# KiCad board s100_ColorMagic-1.1-004.kicad_pcb (continued)
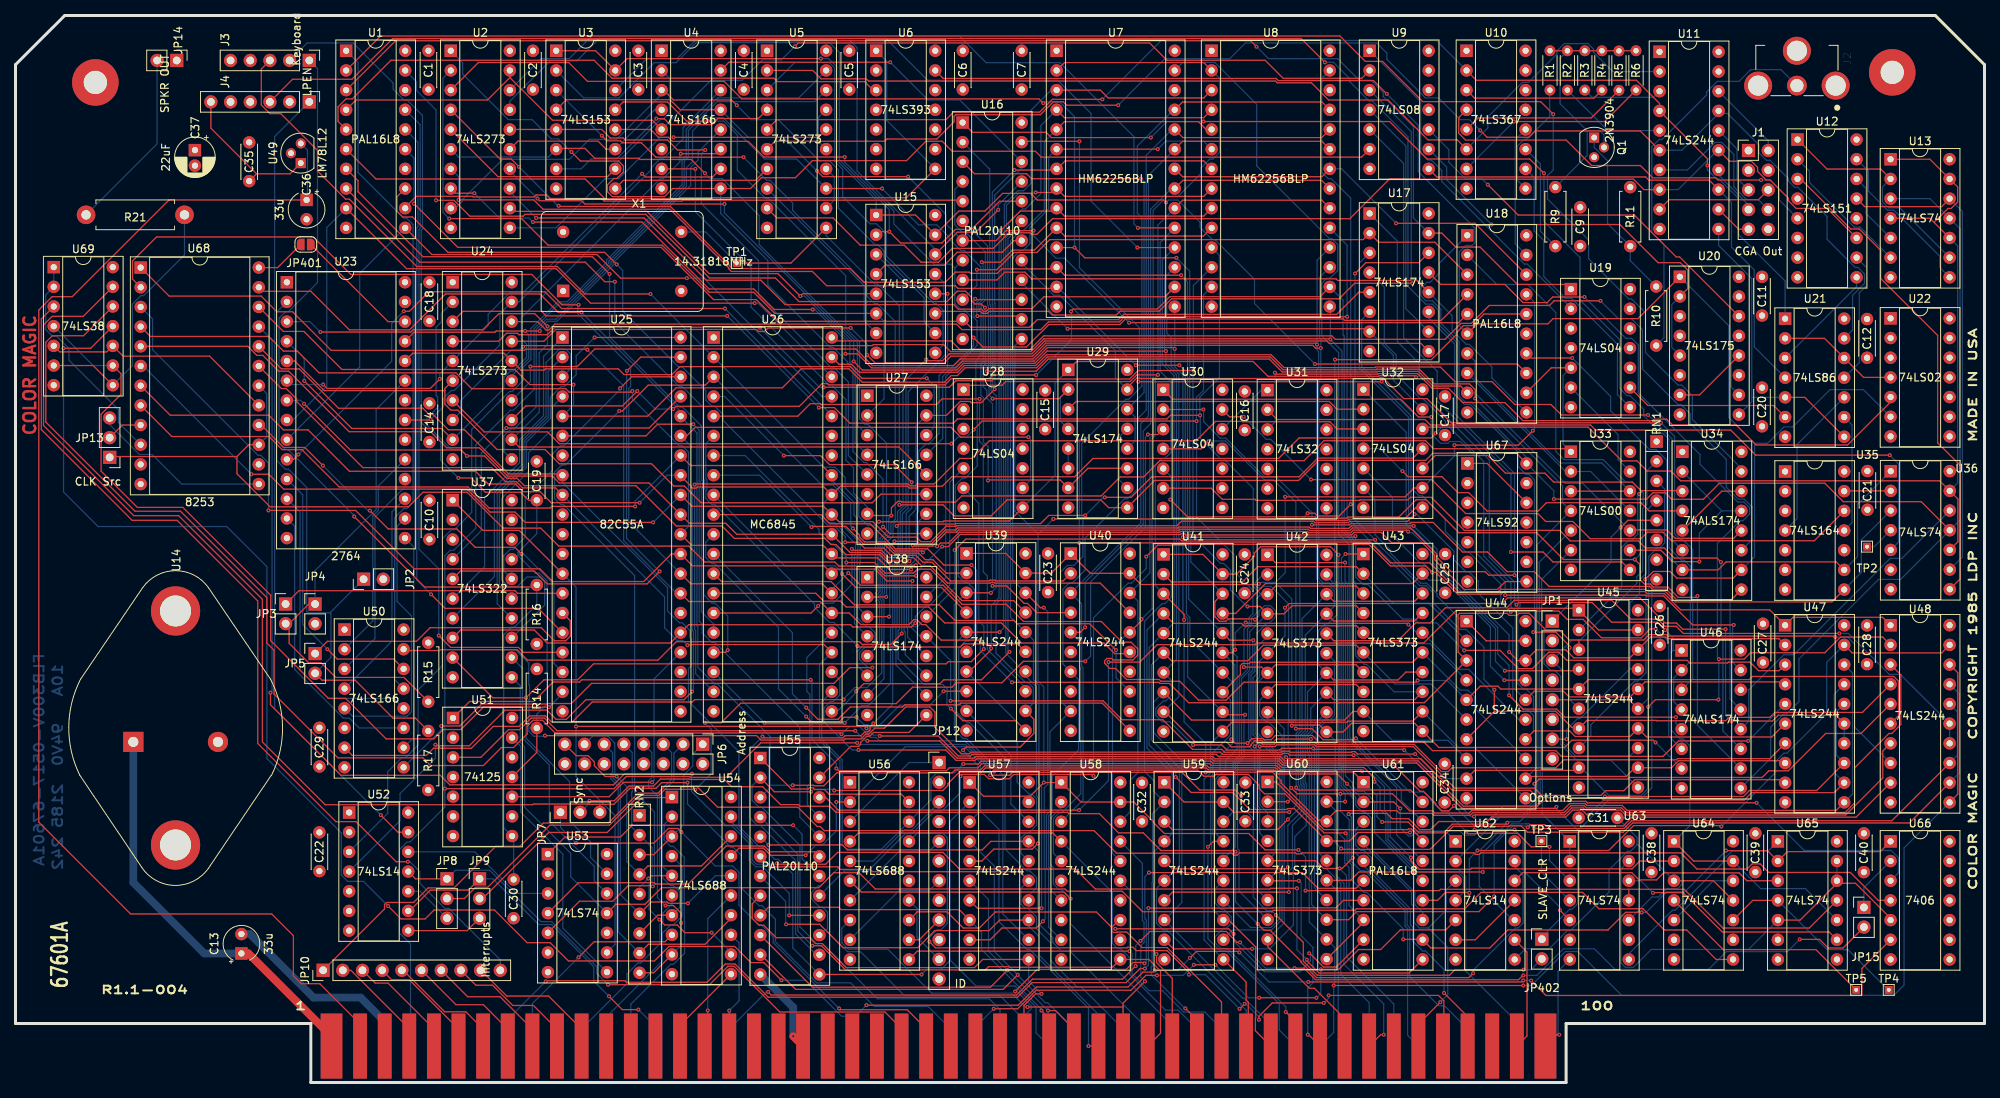
[diagram p0: board, top side]
## Routing (per net, layer and track width the routed paths; a pad name or vN(x,y) marks a point on that pad's centre or on a via; arc(x,y) is an arc through that point) (continued)
MD4: length 239.9
  Component w0.152: v1(80.21,89.24) 78.3,87.32 65.84,87.32 U24.13 ; v1(84.83,86.91) 85.18,87.27 101.12,87.27 104.04,90.19 104.76,90.19 104.92,90.04 119.9,90.04 120.72,90.85 125.62,90.85 126.08,91.31 v1(131.66,91.31) ; U42.13 170.03,49.42 180.49,49.42 U43.13 ; v1(159.52,17.25) 149.38,17.25 U59.9 ; U8.16 168.29,101.42 148.91,101.42 147.31,99.83 136.47,99.83 v1(136.15,99.52)
  Copper w0.152: v1(84.83,86.91) 82.53,86.91 v1(80.21,89.24) ; U42.13 167.09,48.29 167.09,45.35 166.36,44.63 166.36,38.73 166.51,38.58 166.51,33.21 165.02,31.72 165.02,27.63 164.85,27.46 164.85,20.33 161.77,17.25 v1(159.52,17.25) ; v1(136.15,99.52) 136.22,99.45 136.22,95.87 v1(131.66,91.31) ; U43.13 177.84,50.43 174.3,53.97 173.99,53.97 172.87,55.09 172.87,64.49 172.59,64.76 172.59,70.1 171.4,71.3 171.4,96.36 171.26,96.5 171.26,100.96 U8.16
MD5: length 226.6
  Component w0.152: v1(164.26,24.57) 149.26,24.57 U59.7 ; U42.14 170.04,51.95 178.34,51.95 179.36,52.97 U43.14 ; v1(66.42,92.4) 72.47,92.4 74.73,94.66 108.4,94.66 110.54,92.53 121,92.53 121.86,93.38 131.25,93.38 133.01,95.13 167.35,95.13 167.71,94.78 v1(168.39,94.78)
  Copper w0.152: U24.14 66.42,90.45 v1(66.42,92.4) ; v1(164.26,24.57) 164.26,27.27 164.73,27.73 164.73,33.19 166.23,34.7 166.23,38.47 166.08,38.61 166.08,44.75 166.67,45.33 166.67,50.41 U42.14 168.08,53.91 168.08,58.32 168.97,59.22 169.33,59.22 170.43,60.32 170.43,63.54 169.52,64.45 168.74,64.45 168.11,65.09 168.11,90.55 168.39,90.83 v1(168.39,94.78) 168.39,95.93 168.22,96.1 168.22,103.9 U8.17
MD6: length 223.1
  Component w0.152: U42.17 170.05,59.56 180.48,59.56 181.5,60.59 U43.17 ; U59.5 149.21,27.59 163.93,27.59 v1(164.14,27.79) ; U24.17 68.15,95.66 69.67,97.18 95.61,97.18 95.87,96.93 96.62,96.93 97.08,97.38 v1(107.74,97.38) ; v1(109.84,93.91) 110.91,92.84 119.77,92.84 120.67,93.74 131.21,93.74 132.89,95.42 167.72,95.42 v1(167.9,95.24)
  Copper w0.152: U8.18 167.9,106.11 v1(167.9,95.24) 167.9,94.55 168.11,94.34 168.11,92.28 167.83,92 167.83,64.96 168.76,64.03 169.54,64.03 170.14,63.43 170.14,61.5 U42.17 166.39,57.75 166.39,45.45 165.8,44.86 165.8,38.5 165.95,38.35 165.95,35.01 164.14,33.2 v1(164.14,27.79) ; v1(107.74,97.38) 109.84,95.29 v1(109.84,93.91)
MD7: length 223
  Component w0.152: U42.18 170.04,62.11 180.48,62.11 U43.18 ; v1(164.14,33.96) 162.83,32.65 155.67,32.65 155.66,32.65 149.22,32.65 U59.3 ; U24.18 67.35,98.2 68.43,97.12 68.81,97.12 69.57,97.87 121.38,97.87 122.09,97.16 132.25,97.16 133.25,98.16 142.39,98.16 143.05,98.82 v1(171.77,98.82)
  Copper w0.152: v1(164.14,33.96) 165.67,35.49 165.67,38.23 165.49,38.41 165.49,44.95 165.96,45.43 165.96,59.86 U42.18 ; U8.19 171.77,108.06 v1(171.77,98.82) 171.77,72.85 U43.18
MD8: length 277.8
  Component w0.152: U2.3 59.71,131.63 71.36,131.63 73.79,129.2 91.42,129.2 93.68,126.94 132.02,126.94 v1(132.58,126.39) ; v1(159.9,59.74) 159.8,59.84 156.44,59.84 156.14,59.53 155.3,59.53 154.72,60.12 154.72,62.07 U41.18 ; v1(149.76,106.43) 137.94,106.43 v1(136.62,107.75) U7.11 ; U47.9 227.89,39.09 208.88,39.09 207.46,37.66 205.13,37.66 204.52,37.05 196.89,37.05 195.95,37.99 185.68,37.99 180.32,43.35 167.81,43.35 167.58,43.58 162.71,43.58 162.49,43.36 v1(160.49,43.36)
  Copper w0.152: v1(136.62,107.75) 136.62,124.64 134.7,126.55 132.73,126.55 v1(132.58,126.39) ; 161.53,33.71 161.53,34.83 160.52,35.83 160.52,43.33 v1(160.49,43.36) 160.49,43.38 159.37,44.49 159.37,52.56 159.88,53.06 159.88,56.63 160.13,56.89 160.13,58 161.42,59.29 161.73,59.29 162.55,60.1 162.55,60.86 161.88,61.53 161.13,61.53 160.4,60.81 160.4,60.24 v1(159.9,59.74) ; v1(149.76,106.43) 151.47,104.71 151.47,70.94 151.61,70.8 151.61,67.18 U41.18
MD9: length 256.6
  Component w0.152: v1(70.06,113.16) 70.16,113.06 84.47,113.06 92.33,105.21 92.33,105.18 92.46,105.05 107.65,105.05 109.42,103.28 119.94,103.28 121.25,104.58 123.04,104.58 123.21,104.42 126.64,104.42 127.23,105.01 134.09,105.01 U7.12 135.32,104.19 v1(150.37,104.19) ; U47.7 226.31,41.81 214.4,41.81 214.24,41.65 199.74,41.65 198.71,40.62 185.31,40.62 184.82,40.13 183.93,40.13 180.43,43.63 167.93,43.63 167.7,43.87 162.59,43.87 162.39,43.66 160.84,43.66 160.68,43.82 160.3,43.82 159.85,43.37 v1(159.85,43.36) ; U41.16 156.64,57.08 v1(159.67,57.08) ; U2.4 62.5,119.19 63.94,119.19 v1(64.95,118.17)
  Copper w0.152: v1(159.67,57.08) 159.59,57 159.59,53.18 159.09,52.67 159.09,44.32 159.85,43.56 v1(159.85,43.36) 159.85,43.31 160.24,42.92 160.24,35.72 160.5,35.46 160.5,32.2 U60.4 ; v1(64.95,118.17) 69.97,113.16 v1(70.06,113.16) ; v1(150.37,104.19) 151.19,103.37 151.19,70.83 151.33,70.69 151.33,62.38 U41.16
MD10: length 255.1
  Component w0.152: v1(223.51,44.08) 214.53,44.08 212.53,42.08 199.43,42.08 198.69,42.83 182.8,42.83 181.67,43.96 168.12,43.96 167.3,44.78 162.53,44.78 161.99,44.24 161.06,44.24 160.91,44.38 159.51,44.38 v1(158.93,43.8) 157.32,43.8 v1(156.84,44.28) ; v1(57.16,113.91) 66.85,113.91 68.06,112.7 84.44,112.7 92.05,105.09 92.05,104.98 92.35,104.67 102.8,104.67 104.64,102.83 121.24,102.83 121.58,102.49 134.12,102.49 U7.13 ; v1(150.14,92.57) v1(144.52,92.57)
  Copper w0.152: v1(57.16,113.91) 57.16,116.91 U2.7 ; v1(150.14,92.57) 150.9,91.81 150.9,70.72 151.05,70.57 151.05,60.45 151.49,60.02 151.49,57.15 U41.14 157.01,51.62 157.01,44.46 v1(156.84,44.28) ; v1(158.93,43.8) 158.93,43.6 159.86,42.67 159.86,35.44 160.21,35.09 160.21,24.86 161.53,23.55 ; U47.5 v1(223.51,44.08) ; U7.13 134.41,102.67 v1(144.52,92.57)
MD11: length 281.7
  Component w0.152: v1(102.84,99.76) 97.89,99.76 95.24,102.41 89.47,102.41 80.83,111.05 v1(66.75,111.05) ; U41.12 156.09,47.46 v1(158.61,47.46) ; v1(172.86,70.53) 172.71,70.38 v1(150.59,70.38) ; U47.3 227.5,53.15 224.85,53.15 223.75,54.25 220.96,54.25 220.86,54.15 215.98,54.15 215.64,54.49 200.13,54.49 199.08,55.53 197.79,55.53 195.68,53.42 193.86,53.42 191.51,55.77 v1(186.88,55.77) ; U2.8 56.75,114.77 v1(59.19,114.77) ; v1(107.06,94.04) 108.62,94.04 110.44,92.23 121.3,92.23 122.17,93.1 131.37,93.1 133.12,94.85 149.36,94.85 v1(149.54,94.68)
  Copper w0.152: U7.15 v1(149.54,94.68) 149.54,92.38 150.59,91.32 v1(150.59,70.38) 150.59,60.51 151.21,59.9 151.21,52.35 U41.12 ; v1(186.88,55.77) 183.34,59.31 181.03,59.31 180.53,59.81 178.95,59.81 174.49,64.27 173.85,64.27 172.88,65.24 172.88,70.5 v1(172.86,70.53) ; v1(59.19,114.77) 62.4,111.56 66.23,111.56 v1(66.75,111.05) ; U60.8 157.84,24.69 157.84,29.98 157.64,30.18 157.64,41.16 158.47,41.99 158.47,47.31 v1(158.61,47.46) ; v1(107.06,94.04) 107.06,95.82 103.12,99.76 v1(102.84,99.76)
MD12: length 280.6
  Component w0.152: v1(67.16,111.58) 81.1,111.58 89.13,103.55 96.14,103.55 99.3,100.39 121.05,100.39 121.63,99.81 124.59,99.81 124.86,99.54 125.24,99.54 125.58,99.87 131.14,99.87 132.67,101.41 148.27,101.41 U7.16 ; U60.13 171.96,21.01 173,22.06 188.78,22.06 v1(190.74,24.02) ; U41.9 148.29,47.84 152.19,43.94 156.24,43.94 156.86,43.32 159.17,43.32 159.39,43.53 159.39,43.61 159.88,44.1 160.79,44.1 160.94,43.95 162.28,43.95 162.65,44.32 v1(167.1,44.32) ; v1(195.08,32.94) 195.4,33.26 197.29,33.26 197.43,33.12 207.4,33.12 208.53,34.25 237.43,34.25 U48.9
  Copper w0.152: U60.13 167.19,22.97 167.19,42.37 166.93,42.63 166.93,44.15 v1(167.1,44.32) ; v1(190.74,24.02) 190.74,30.7 193.13,33.09 194.92,33.09 v1(195.08,32.94) ; v1(67.16,111.58) 63.77,114.97 U2.13 ; U41.9 150.07,49.8 150.07,91.44 149.08,92.43 149.08,96.15 148.51,96.71 148.51,101.65 U7.16
MD13: length 287.2
  Component w0.152: v1(188.15,34.34) 188.35,34.54 199.87,34.54 200.77,35.44 202.23,35.44 202.51,35.16 207.06,35.16 207.69,34.53 236.1,34.53 240.88,39.31 240.88,42.77 U48.7 ; v1(67.33,114.08) 67.61,113.8 73.03,113.8 73.45,113.38 v1(91.45,113.38) ; v1(151.91,43.57) 155.61,43.57 156.28,42.9 163.1,42.9 163.33,43.12 v1(167.39,43.12) 167.51,43.01 179.03,43.01 v1(179.15,42.89) ; v1(148.4,94.39) 133.06,94.39 131.48,92.82 122.29,92.82 121.42,91.94 109.24,91.94 v1(108.12,93.07)
  Copper w0.152: U7.17 148.23,103.91 148.23,94.56 v1(148.4,94.39) 148.4,92.71 149.76,91.35 149.76,54.58 U41.7 149.11,51.91 149.11,49.96 148.38,49.23 148.04,49.23 147.09,48.28 147.09,47.4 147.93,46.56 148.91,46.56 v1(151.91,43.57) ; v1(179.15,42.89) 187.7,34.34 v1(188.15,34.34) ; 169.15,23.55 167.56,25.13 167.56,42.95 v1(167.39,43.12) ; v1(91.45,113.38) 91.45,112.22 108.12,95.56 v1(108.12,93.07) ; U2.14 63.77,117.64 v1(67.33,114.08)
MD14: length 285.2
  Component w0.152: U48.5 238.07,45.04 233.51,45.04 228.7,40.23 226.18,40.23 225.31,39.37 208.24,39.37 208.03,39.15 196.54,39.15 v1(195.94,38.55) ; v1(149.67,39.42) 151.66,37.43 157.02,37.43 159.22,35.23 163.99,35.23 164.11,35.35 164.96,35.35 U60.17 172.08,31.17 173.18,32.27 v1(179.89,32.27) ; U7.18 v1(144.73,107.75)
  Copper w0.152: v1(179.89,32.27) 180.07,32.45 186.37,32.45 186.91,31.91 188.17,31.91 191.93,35.68 195.23,35.68 195.94,36.38 v1(195.94,38.55) ; v1(144.73,107.75) 138.75,113.74 138.75,125.05 134.45,129.34 117.67,129.34 112.24,134.78 75.33,134.78 72.4,131.84 68.96,131.84 63.77,126.65 U2.17 ; U7.18 147.94,106.16 147.94,92.73 149.44,91.23 149.44,59.33 U41.5 146.24,56.14 146.24,43.56 149.67,40.13 v1(149.67,39.42)
MD15: length 290.8
  Component w0.152: 169.15,33.71 169.15,33.87 ; 169.15,33.87 170.36,35.09 178.18,35.09 178.54,34.73 182.75,34.73 182.99,34.48 187.64,34.48 187.98,34.82 199.75,34.82 200.66,35.72 202.35,35.72 202.63,35.44 207.18,35.44 207.78,34.84 236.01,34.84 237.24,36.07 237.24,40.61 241.68,45.04 242.04,45.04 243.21,46.21 243.21,52.61 U48.3 ; 169.15,33.87 168.04,33.87 163.26,38.65 163.26,38.95 162.16,40.05 153.56,40.05 v1(153.52,40.02) ; U41.3 150.75,60.43 v1(150.75,59.71) ; U7.19 v1(144.8,110.3)
  Copper w0.152: v1(153.52,40.02) 153.52,43.77 150.75,46.55 v1(150.75,59.71) ; U41.3 147.03,64.14 147.03,79.68 147.86,80.5 148.23,80.5 149.06,81.33 149.06,90.4 147.66,91.79 147.66,108.41 U7.19 ; v1(144.8,110.3) 144.27,110.82 144.27,122.07 134.72,131.62 125.21,131.62 121.77,135.06 74.34,135.06 71.43,132.15 67.84,132.15 U2.18
MEMCS: length 311.3
  Component w0.152: v1(126.25,40.13) 126.43,40.31 152.51,40.31 153.3,39.52 154.57,39.52 154.8,39.76 159.03,39.76 160.45,38.34 160.45,37.93 161.11,37.27 163.74,37.27 168.79,32.22 171.53,32.22 v1(171.59,32.16) ; U69.12 8.77,96.37 4.75,96.37 3.91,95.53 3.91,85.24 15.42,73.73 21.27,73.73 32.42,62.58 32.42,56.73 33.35,55.8 33.35,50.14 41.58,41.9 52.56,41.9 53.55,40.91 60.36,40.91 62.69,43.24 64.25,43.24 65.99,44.98 65.99,45.97 66.77,46.75 67.97,46.75 69.61,45.11 106.37,45.11 v1(106.55,44.94) ; v1(209.78,21.94) 209.75,21.97 207.7,21.97 205.43,19.69 205.43,19.69 192.51,19.69 190.19,17.36 182.59,17.36 U61.12 181.48,18.47 v1(179.02,18.47) ; v1(220.66,29.93) 226,29.93 U65.2 228.56,29.8 240.56,29.8 U66.1
  Copper w0.152: v1(220.66,29.93) 215.34,24.6 213,24.6 210.34,21.94 v1(209.78,21.94) ; v1(106.55,44.94) 107.53,45.91 108.93,45.91 110.31,44.53 111.04,44.53 111.46,44.11 122.45,44.11 126.25,40.3 v1(126.25,40.13) ; v1(179.02,18.47) 179.02,19.84 174.32,24.53 173.98,24.53 172.36,26.16 172.36,28.1 171.76,28.69 171.76,31.98 v1(171.59,32.16)
MUX_G: length 20.6
  Component w0.152: 77.37,115.38 78.42,116.43 95.46,116.43 U5.7
MUX_I: length 54.1
  Copper w0.152: U15.9 119.65,95.18 119.65,99.67 118.8,100.53 118.49,100.53 112.34,106.67 112.34,109.54 111.06,110.82 110.22,110.82 106.7,114.34 106.7,117.85 105.67,118.88 105.67,130.94 104.97,131.64 100.51,131.64 U5.3
MUX_R: length 31.1
  Component w0.152: v1(82.67,124.4) 83.67,124.4 84.46,123.62 89.81,123.62 90.6,124.41 95.82,124.41 U5.4
  Copper w0.152: U3.7 72.97,117.92 74.24,119.19 77.53,119.19 82.67,124.32 v1(82.67,124.4)
MUXA: length 80.5
  Component w0.152: U15.14 121.51,109.74 123.88,109.74 v1(126.77,112.62)
  Copper w0.152: v1(126.77,112.62) 126.77,113.25 U16.21 ; 77.37,128.07 81.42,132.12 85.33,132.12 87.69,134.49 107.64,134.49 108.56,133.57 108.56,117.64 118.65,107.55 U15.14
MUXB: length 89
  Component w0.152: U16.20 126.95,113.73 123.32,110.1 121.26,110.1 119.5,108.35 114.19,108.35 v1(112.72,109.81) 111.42,109.81 U15.2
  Copper w0.152: v1(112.72,109.81) 112.72,112.64 106.27,119.09 106.27,132.93 104.99,134.21 87.81,134.21 85.22,131.62 82.39,131.62 77.84,127.07 73.3,127.07 U3.2
MUXBLUE: length 24.5
  Copper w0.152: U5.8 109.49,102.84 109.49,98.25 U15.7
NEW_RESET: length 133.9
  Copper w0.152: U5.19 101.03,127.07 90.57,127.07 86.52,123.03 86.52,119.57 85.98,119.02 85.98,115.86 76.25,106.13 76.25,105.85 71.16,100.76 69.94,100.76 66.48,97.3 66.48,93.31 65.49,92.31 65.49,90.62 64.05,89.18 63.73,89.18 58.85,84.3 58.85,73.58 56.62,71.34 56.23,71.34 55.08,70.19 55.08,53.8 51.93,50.66 51.93,43.54 50.33,41.94 49.85,41.94 48.01,40.1 48.01,34.74 U52.3
OVERSCAN_B: length 49
  Component w0.152: U38.2 v1(112.32,62.67)
  Copper w0.152: v1(112.32,62.67) 112.38,62.72 112.38,69.71 113.21,70.54 113.21,72.01 113.78,72.59 113.78,73.66 114.49,74.36 114.49,103.41 U15.3
OVERSCAN_G: length 94.8
  Component w0.152: v1(89.3,124.08) 86.58,124.08 84.1,126.55 78.38,126.55 77.37,125.53
  Copper w0.152: U38.5 111.46,56.63 111.46,62.03 111.25,62.24 111.25,63.09 111.53,63.37 111.53,70.26 112.36,71.09 112.36,82.52 109.93,84.95 109.6,84.95 108.88,85.67 108.88,95.6 107.09,97.38 107.09,104.12 97.11,114.11 96.75,114.11 93.12,117.73 93.12,122.28 91.32,124.08 v1(89.3,124.08)
OVERSCAN_I: length 59.2
  Copper w0.152: U38.10 113.58,53.89 113.58,58.65 113.72,58.8 113.72,67.79 114.41,68.48 114.41,73.38 115.15,74.12 115.15,89.13 119.93,93.92 119.93,100.81 119.76,100.98 119.76,103.22 U15.13
OVERSCAN_R: length 107.4
  Component w0.152: v1(93.92,119.41) 82.6,119.41 80.74,121.27 78.29,121.27 78.03,121.53 76.3,121.53 v1(75.63,122.19)
  Copper w0.152: U3.3 v1(75.63,122.19) ; v1(93.92,119.41) 96.89,116.44 97.32,116.44 100.25,113.52 100.25,112.55 109.8,103 109.8,101.55 110.82,100.53 111.18,100.53 113.48,98.22 113.48,72.69 112.93,72.13 112.93,70.85 112.1,70.02 112.1,63.14 111.81,62.86 111.81,62.47 112.03,62.26 112.03,52.11 U38.7
PB6: length 37.1
  Component w0.152: U51.10 76.58,36.88 78.44,38.75 v1(82.12,38.75)
  Copper w0.152: v1(82.12,38.75) 82.38,39.01 82.38,52.09 U25.24
PB7: length 84.9
  Component w0.152: U37.8 57.42,58.4 66.91,58.4 68.59,56.72 84.47,56.72 U25.25 86.82,59.08 107.74,59.08 108.02,58.79 115.59,58.79 v1(116.08,59.28)
  Copper w0.152: v1(116.08,59.28) 116.08,60.14 117.46,61.52 117.85,61.52 120.52,64.19 120.52,77.48 U28.5
PC4: length 251.9
  Component w0.152: v1(109.78,45.71) 109.53,45.96 v1(72.31,45.96) ; v1(111.5,44.72) 119.03,44.72 121.62,42.14 123.19,42.14 123.4,42.35 154.9,42.35 155.2,42.05 163.18,42.05 163.73,41.51 180.93,41.51 186.77,35.67 196.34,35.67 196.96,36.28 202.58,36.28 202.77,36.09 v1(224.59,36.09) ; U37.1 60.3,71.25 64.99,71.25 U25.13
  Copper w0.152: v1(109.78,45.71) 110.65,44.84 111.38,44.84 v1(111.5,44.72) ; v1(224.59,36.09) 230.74,29.95 241.96,29.95 242.9,29.01 242.9,27.06 U66.3 ; U25.13 72.31,63.93 v1(72.31,45.96) 72.31,39.47 77.34,34.44 77.34,17.82 U53.9
PD0: length 298.8
  Component w0.152: U26.33 104.05,79.62 87.09,79.62 U25.34 ; U68.8 20.17,83.37 32.71,83.37 34.41,81.67 36.95,81.67 36.95,81.67 41.76,76.86 58.37,76.86 61.09,74.14 68.96,74.14 69.17,74.35 v1(79.93,74.35) ; U38.3 v1(112.7,60.12) ; U47.2 227.47,57.28 213.12,57.28 212.92,57.49 210.93,57.49 U45.18 208.25,54.81 201.01,54.81 199.99,55.83 196.17,55.83 U44.18 193.77,54.46 v1(192.67,55.56) ; v1(180.36,71.83) 180.34,71.85 172.34,71.85 172,71.51 167.06,71.51 166.89,71.68 150.05,71.68 149.94,71.57 121.53,71.57 121.26,71.31 119.96,71.31 118.17,69.52 116.64,69.52 116.32,69.84 v1(113.39,69.84)
  Copper w0.152: U38.3 108.88,61.13 108.88,66.88 108.96,66.97 108.96,70.05 108.51,70.5 108.51,72.87 108.17,73.21 108.17,74.86 105.3,77.73 U26.33 ; U25.34 79.93,75.05 v1(79.93,74.35) ; v1(113.39,69.84) 112.78,69.24 112.78,60.21 v1(112.7,60.12) ; v1(192.67,55.56) 192.67,57.76 183.36,67.07 183.36,68.83 v1(180.36,71.83) 179.71,72.48 179.71,85.86 173.36,92.22 173.36,105.75 U17.3
PD1: length 301.7
  Component w0.152: U47.4 227.97,51.7 210.22,51.7 U45.16 208.28,49.76 200.42,49.76 199.69,50.5 195.92,50.5 U44.16 ; U25.33 85.8,78.29 87.39,76.71 87.8,76.71 87.95,76.86 104.28,76.86 U26.32 106.42,76.95 115.07,76.95 115.3,76.72 116.2,76.72 116.43,76.95 119.55,76.95 120.78,78.18 136.63,78.18 138.99,80.54 162.94,80.54 165.58,83.19 182.6,83.19 v1(183.2,83.79) ; v1(80.51,74.83) 69.1,74.83 67.68,76.25 65.48,76.25 64.49,77.24 60.98,77.24 59.34,78.89 43.08,78.89 37.73,84.23 34.57,84.23 32.68,86.12 19.96,86.12 U68.7
  Copper w0.152: U26.32 104.28,74.81 104.28,72.86 104.9,72.24 105.65,72.24 108.36,69.53 108.36,68.24 108.24,68.11 108.24,59.23 U38.4 ; U17.4 176.58,102.64 176.58,95.41 178.1,93.89 178.1,91.38 181.2,88.29 181.52,88.29 184.48,85.34 184.48,85.06 ; 184.48,85.06 v1(183.2,83.79) ; 184.48,85.06 189.4,80.14 189.4,67.94 192.92,64.42 192.92,61.41 193.48,60.84 193.48,50.7 U44.16 ; U25.33 84.05,78.38 v1(80.51,74.83)
PD2: length 305.3
  Component w0.152: v1(180.48,73.34) 179.56,72.41 172.1,72.41 171.94,72.25 167.62,72.25 167.43,72.44 150.41,72.44 149.83,71.85 121.41,71.85 121.34,71.79 120.04,71.79 118.06,69.8 116.8,69.8 116.22,70.38 112.6,70.38 110.59,72.39 106.21,72.39 U26.31 104.23,74.37 87.27,74.37 U25.32 ; v1(30.44,78.5) 32.68,78.5 34.6,76.58 58.26,76.58 61.21,73.62 64.43,73.62 65.77,72.29 v1(82.25,72.29) ; U47.6 226.56,44.59 210.41,44.59 U45.14 208.26,44.66 201.21,44.66 200.49,45.38 195.88,45.38 U44.14
  Copper w0.152: v1(30.44,78.5) 16.46,92.47 U68.6 ; U26.31 108.66,69.93 108.66,67.94 108.57,67.86 108.57,60.01 109.73,58.86 110.09,58.86 110.89,58.05 110.89,57.15 110.29,56.56 109.51,56.56 108.57,55.61 108.57,53.82 U38.6 ; U17.6 173.66,98.43 173.66,92.39 180.02,86.03 180.02,73.8 v1(180.48,73.34) 180.78,73.34 185.55,68.56 185.55,67.47 187.09,65.92 187.46,65.92 188.69,64.7 188.69,63.14 193.15,58.67 193.15,49.55 194.59,48.11 195.06,48.11 195.82,47.35 195.82,45.32 U44.14 ; U25.32 v1(82.25,72.29)
PD3: length 312.2
  Component w0.152: v1(115.3,67.29) 112.69,67.29 111.58,68.4 107.65,68.4 U26.30 93.04,70.75 91.62,72.17 86.93,72.17 U25.31 81.72,77.37 70.14,77.37 69.25,78.26 63.5,78.26 59.84,81.91 55.63,81.91 53.55,83.99 43.04,83.99 35.24,91.8 33.94,91.8 31.9,93.84 31.13,93.84 29.96,95.01 U68.5 ; U44.12 195.08,39.5 207.78,39.5 208.9,40.62 U45.12 213.61,40.62 214.51,41.53 227.99,41.53 U47.8 ; v1(115.74,69.35) 115.85,69.24 118.29,69.24 120.08,71.03 121.38,71.03 121.65,71.29 150.06,71.29 150.17,71.4 166.78,71.4 166.95,71.23 172.12,71.23 172.45,71.57 179.97,71.57 183.36,68.18 183.36,67.78 185.21,65.92 189.59,65.92 190.05,65.47 v1(193.38,65.47)
  Copper w0.152: v1(115.74,69.35) 115.74,67.73 v1(115.3,67.29) 114.63,66.62 114.63,58.28 114.78,58.14 114.78,55.23 U38.11 ; U44.12 196.12,40.54 196.12,47.66 195.82,47.96 195.82,49.82 194.87,50.78 194.52,50.78 193.79,51.5 193.79,61.19 194.08,61.47 194.08,61.85 193.86,62.08 193.86,64.99 v1(193.38,65.47) 193.38,78.6 185.66,86.31 185.66,95.28 182.3,98.64 U17.11
PD4: length 366.7
  Component w0.152: v1(120.63,49.26) 140.3,49.26 142.74,46.82 148.01,46.82 151.84,42.99 155.6,42.99 155.97,42.62 163.22,42.62 163.36,42.76 164.25,42.76 164.4,42.62 172.33,42.62 172.42,42.71 172.8,42.71 173.12,42.38 v1(180.55,42.38) ; U68.4 17.42,96.28 32.68,96.28 34.57,94.39 36.37,94.39 39.17,91.59 56.81,91.59 58.86,89.54 70.98,89.54 71.42,89.1 79.42,89.1 v1(79.57,89.25) ; v1(219.73,54.64) 222.99,54.64 223.81,55.46 233.4,55.46 235.42,57.49 240.87,57.49 U48.2 ; v1(115.52,66.21) 112.7,66.21 111.21,67.71 105.81,67.71 U26.29 104.2,69.32 87.24,69.32 U25.30 ; U17.13 183.84,103 192.13,103 194.47,100.66 197.58,100.66 198.3,101.38 v1(202.39,101.38) ; U45.9 201.34,40.28 188.24,40.28 U44.9 ; v1(210.63,48.49) 211.55,49.41 v1(219.67,49.41)
  Copper w0.152: v1(219.67,49.41) 219.73,49.47 v1(219.73,54.64) 219.54,54.84 219.54,69.56 222.48,72.5 222.85,72.5 223.7,73.36 223.7,74.17 222.96,74.91 222.18,74.91 217.3,79.79 217.3,81.05 209.34,89 209.34,95.18 208.48,96.05 207.72,96.05 v1(202.39,101.38) ; v1(180.55,42.38) 183.72,39.22 U44.9 ; U25.30 86.81,71.77 86.81,81.36 85.99,82.19 85.62,82.19 79.57,88.23 v1(79.57,89.25) ; v1(210.63,48.49) 210.63,37.97 209.71,37.06 205.53,37.06 201.97,40.62 U45.9 ; v1(120.63,49.26) 120.63,54.46 U38.13 116.69,57.59 115.22,59.06 115.22,65.91 v1(115.52,66.21)
PD5: length 331.9
  Component w0.152: v1(121.15,68.71) 122.58,70.14 150.19,70.14 150.4,69.92 150.78,69.92 150.89,70.03 v1(175.4,70.03) ; 190.77,47.91 190.77,47.89 U44.7 ; 190.77,47.91 v1(190.77,50.69) ; 190.77,47.91 198.69,47.91 200.78,45.82 201.56,45.82 U45.7 202.71,46.73 211.64,46.73 211.68,46.69 220.61,46.69 221.04,47.12 226.32,47.12 226.96,47.76 238.25,47.76 U48.4 ; v1(32.63,73.83) 43.87,73.83 51.41,66.3 67.64,66.3 69.28,64.65 81.05,64.65 84.61,68.22 U25.29 87.34,66.68 104.3,66.68 U26.28 105.87,66.25 110.88,66.25 112.4,64.73 v1(115.7,64.73) ; v1(172.8,104.4) 174.2,105.81 181.03,105.81 U17.14
  Copper w0.152: v1(115.7,64.73) 115.6,64.63 115.6,59.11 115.89,58.82 116.32,58.82 117.5,60 U38.14 121.15,63.78 v1(121.15,68.71) ; U68.3 17.68,98.55 17.68,94.56 31.3,80.94 31.64,80.94 32.63,79.95 v1(32.63,73.83) ; v1(190.77,50.69) 189.43,52.03 189.43,56.18 187.13,58.47 186.32,58.47 182.88,61.91 182.88,63.18 181.93,64.13 181.13,64.13 175.4,69.86 v1(175.4,70.03) 172.8,72.64 v1(172.8,104.4)
PD6: length 292.2
  Component w0.152: v1(107.43,65.75) 109.01,64.18 119.65,64.18 122.12,61.71 127.82,61.71 130.04,59.5 140.07,59.5 142.74,56.83 143.91,56.83 144.76,55.97 144.76,55.14 144.15,54.53 141.6,54.53 141.42,54.72 140.79,54.72 140.49,54.42 140.49,54.11 141.16,53.43 141.91,53.43 143.33,52.01 147.54,52.01 147.76,51.78 150.18,51.78 152.61,49.35 156.17,49.35 158.49,51.67 180.65,51.67 v1(180.87,51.88) ; U68.2 15.09,103.68 15.09,106.02 18.2,109.13 38.41,109.13 43.25,104.29 66.59,104.29 70.51,100.37 v1(72.64,100.37) ; U44.5 188.95,51.15 191.24,51.15 191.61,50.78 U45.5 202.9,52 223.67,52 224.07,52.4 242.29,52.4 242.9,51.79 242.9,47.34 U48.6 ; U26.27 104.06,64.37 87.1,64.37 U25.28
  Copper w0.152: U26.27 105.3,63.62 v1(107.43,65.75) ; U44.5 184.68,51.88 v1(180.87,51.88) ; U25.28 79.11,72.37 79.11,89.58 79.34,89.81 79.34,92.42 72.54,99.21 72.54,100.27 v1(72.64,100.37)
PD7: length 288.2
  Component w0.152: U25.27 86.87,62.07 103.83,62.07 U26.26 107.54,60.59 109.03,59.1 115.25,59.1 115.88,59.74 116.27,59.74 116.91,59.09 117.41,59.09 119.42,57.09 v1(124.46,57.09) ; 201.68,57.11 210.04,57.11 210.74,57.8 213,57.8 213.19,57.61 234.61,57.61 v1(234.74,57.48) ; 201.68,57.11 U45.3 ; 201.68,57.11 200.43,57.11 199.13,58.41 197.41,58.41 195.25,60.56 193.99,60.56 193.71,60.28 192.7,60.28 192.43,60.55 186.28,60.55 186.09,60.37 186.09,55.55 U44.3 181.73,49.01 151.34,49.01 148.85,51.5 147.64,51.5 147.5,51.65 v1(128.56,51.65) ; v1(73.78,94.58) 73.71,94.64 65.8,94.64 65.65,94.49 40.72,94.49 35.74,99.47 33.71,99.47 31.69,101.49 19.82,101.49 U68.1
  Copper w0.152: v1(73.78,94.58) 78.45,89.9 78.45,69.94 85.26,63.14 U25.27 ; v1(234.74,57.48) 236.34,57.48 237.25,56.57 237.25,45.86 U48.8 ; v1(128.56,51.65) 124.46,55.75 124.46,57.09 v1(124.46,57.09)
pDBIN: length 155.2
  Component w0.152: v1(178.63,35.37) 177.79,36.21 U61.2 ; v1(102.62,37.52) 97.9,37.52 U55.2 ; v1(171.77,38.55) 170.51,39.81 162.85,39.81 162.32,40.34 153.85,40.34 153.6,40.59 125.12,40.59 124.57,40.05 121.76,40.05 120.29,38.58 120.29,38.36 119.62,37.69 v1(105.62,37.69)
  Copper w0.152: v1(105.62,37.69) 105.46,37.84 102.94,37.84 v1(102.62,37.52) ; U62.1 184.74,32.16 180.42,32.16 180.08,31.81 179.7,31.81 178.63,32.87 v1(178.63,35.37) ; U61.2 173.9,36.42 v1(171.77,38.55) ; P1.78 127,9.41 125.61,10.8 111.2,10.8 104.35,17.65 103.62,17.65 101.19,20.08 101.19,30.61 96.27,35.53 95.92,35.53 95.02,36.43 95.02,38.28 U55.2
PHI: length 77.7
  Component w0.152: JP8.1 51.6,26.28 U52.11 ; P1.24 114.3,6.96 112.16,9.09 98.61,9.09 92.7,15 91.9,15 89.52,12.62 v1(76.43,12.62)
  Copper w0.152: JP8.1 56.77,27.39 61.16,27.39 67.79,20.76 69.17,20.76 74.98,14.95 74.98,14.07 v1(76.43,12.62)
POC*: length 177.1
  Component w0.152: U51.1 58.57,49.17 66.83,49.17 69.35,51.69 72.77,51.69 73.05,51.97 v1(102.58,51.97) ; v1(105.9,40.53) 106.19,40.24 120.08,40.24 120.45,40.61 124.14,40.61 124.69,41.16 154.03,41.16 154.27,40.91 162.65,40.91 163.19,40.38 173.53,40.38 v1(173.72,40.19)
  Copper w0.152: v1(173.72,40.19) 174.35,40.19 174.95,39.59 175.2,39.59 176.6,38.19 176.6,35.09 177.05,34.64 177.05,31.34 180.9,27.5 186.18,27.5 187.07,26.6 187.07,14.41 193.68,7.81 P1.99 ; v1(102.58,51.97) 102.75,51.8 102.75,44.29 105.9,41.14 v1(105.9,40.53)
PORTC2: length 80.5
  Component w0.152: U25.16 67.43,61.19 55.43,61.19 v1(53.61,63)
  Copper w0.152: v1(53.61,63) 51.76,64.85 51.76,110.32 51.91,110.47 51.91,121.35 U1.16
PORTC3: length 86.6
  Component w0.152: v1(54.6,57.67) 56.13,56.15 64.87,56.15 65.51,55.52 U25.17
  Copper w0.152: v1(54.6,57.67) 54.6,66.28 52.04,68.84 52.04,110.06 52.21,110.23 52.21,123.6 U1.17
PRDY: length 324.8
  Component w0.152: v1(48.06,22.78) 49.73,21.11 52.83,21.11 53.99,22.26 61.78,22.26 65.99,18.05 68.96,18.05 71.32,15.69 82.43,15.69 84.29,17.56 92.78,17.56 94.86,15.47 96.53,15.47 v1(98.81,13.19) ; v1(6.2,94.76) 9.7,94.76 U69.11 ; v1(157.88,16.79) 157.75,16.92 152.35,16.92 v1(151.49,16.06) ; v1(109.77,9.98) 129.34,9.98 131.69,12.33 143.52,12.33 145.44,14.25 146.75,14.25 v1(146.97,14.47) ; v1(166.77,12.98) 194.31,12.98 v1(194.5,13.17) ; v1(195.52,13.15) 197.43,11.23 238.1,11.23 238.19,11.32 238.19,14.73 241.88,18.42